# Altium PCB GO_KART_CONTROLLER.PcbDoc
Units mm, origin at the board's own origin, x right, y up, seen from the top; angles counter-clockwise.
Board outline 64 x 57.6 mm, 2 copper layers (Top Layer, Bottom Layer), stack 1.569 mm thick; 94 components, 58 nets, 219 pads, 33 vias.
Unrouted connection lines stored in the file: 1.
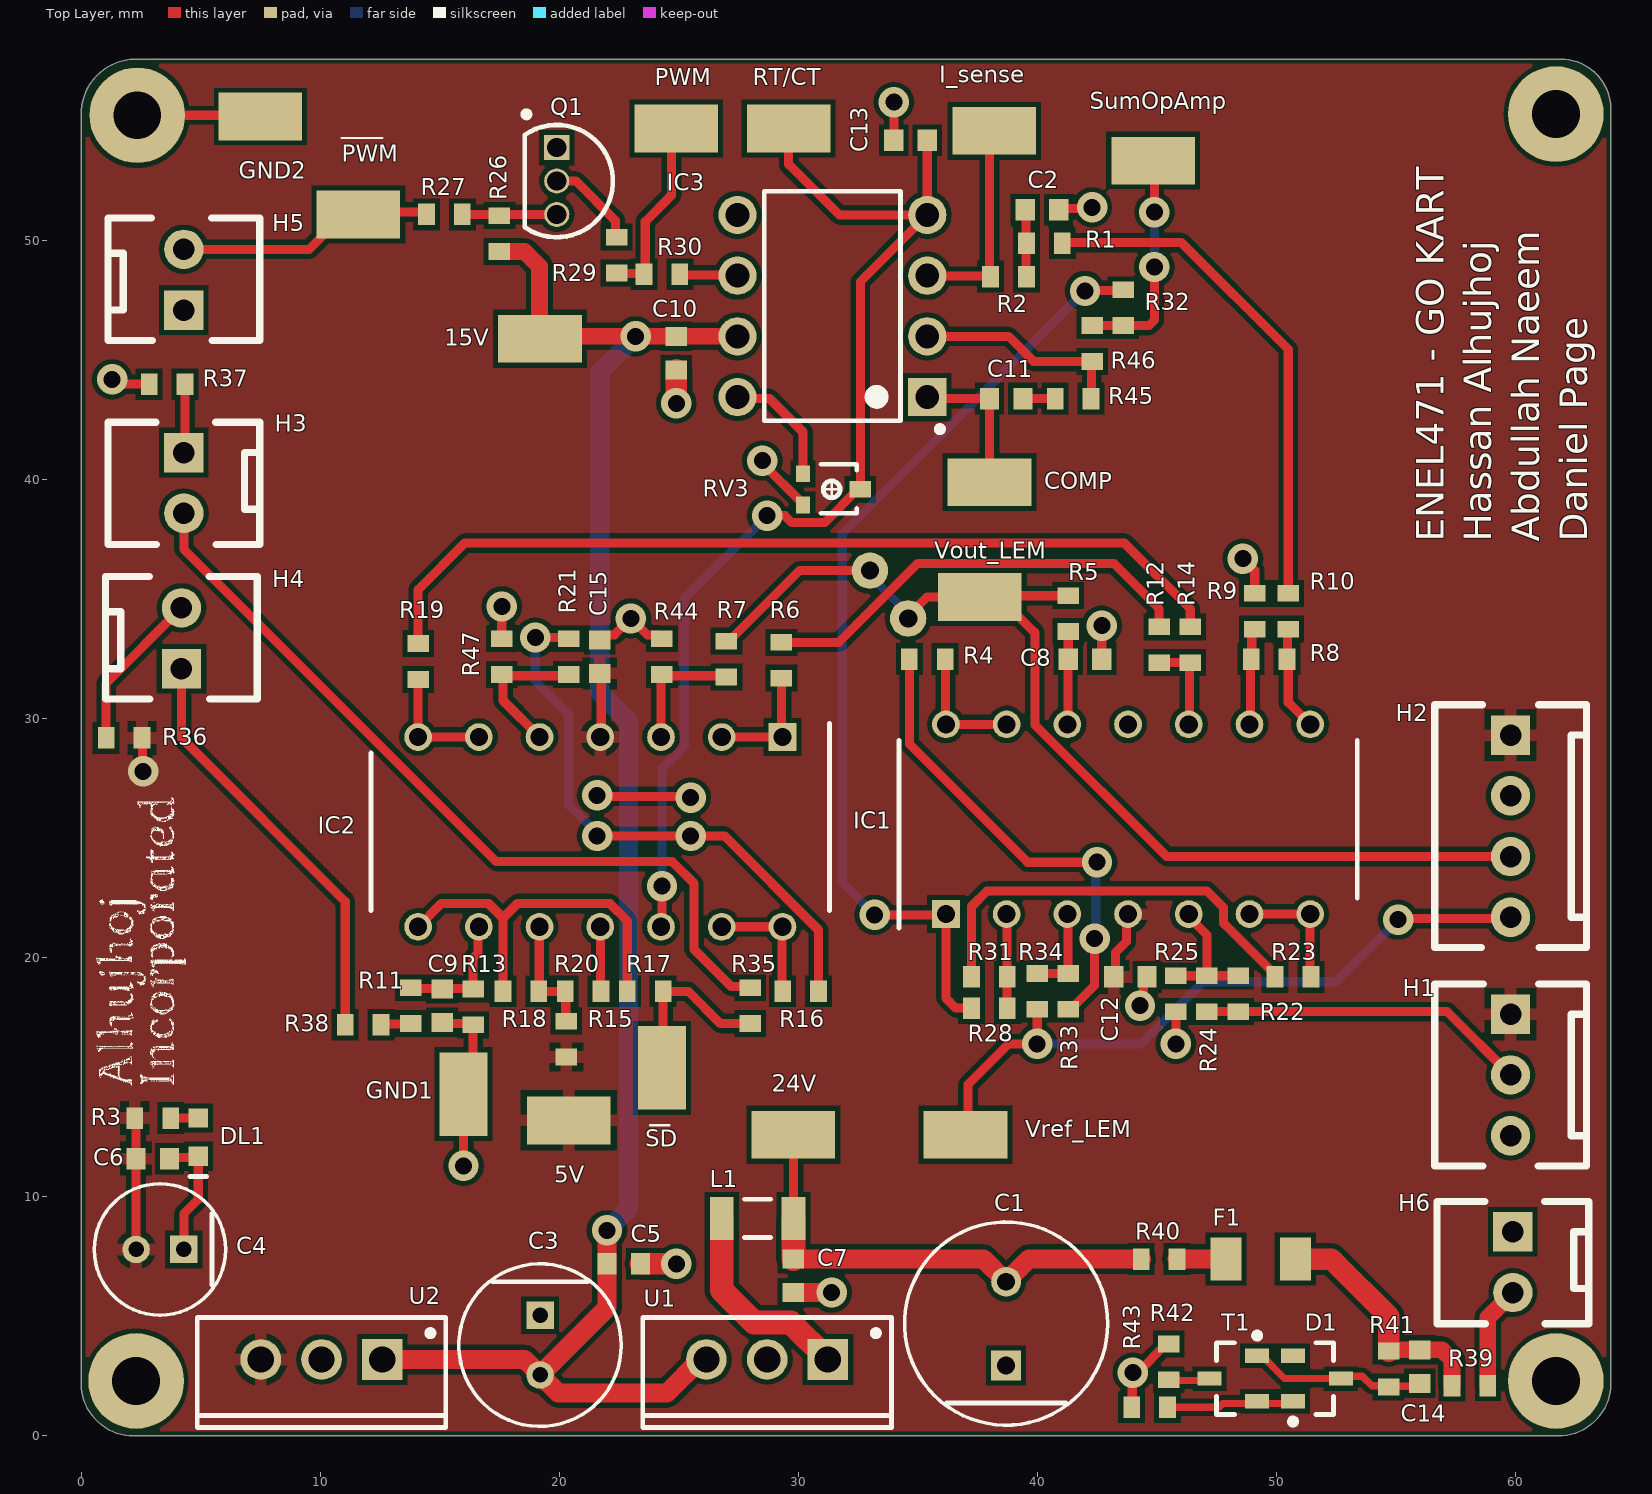
[diagram p0: Top Layer view]
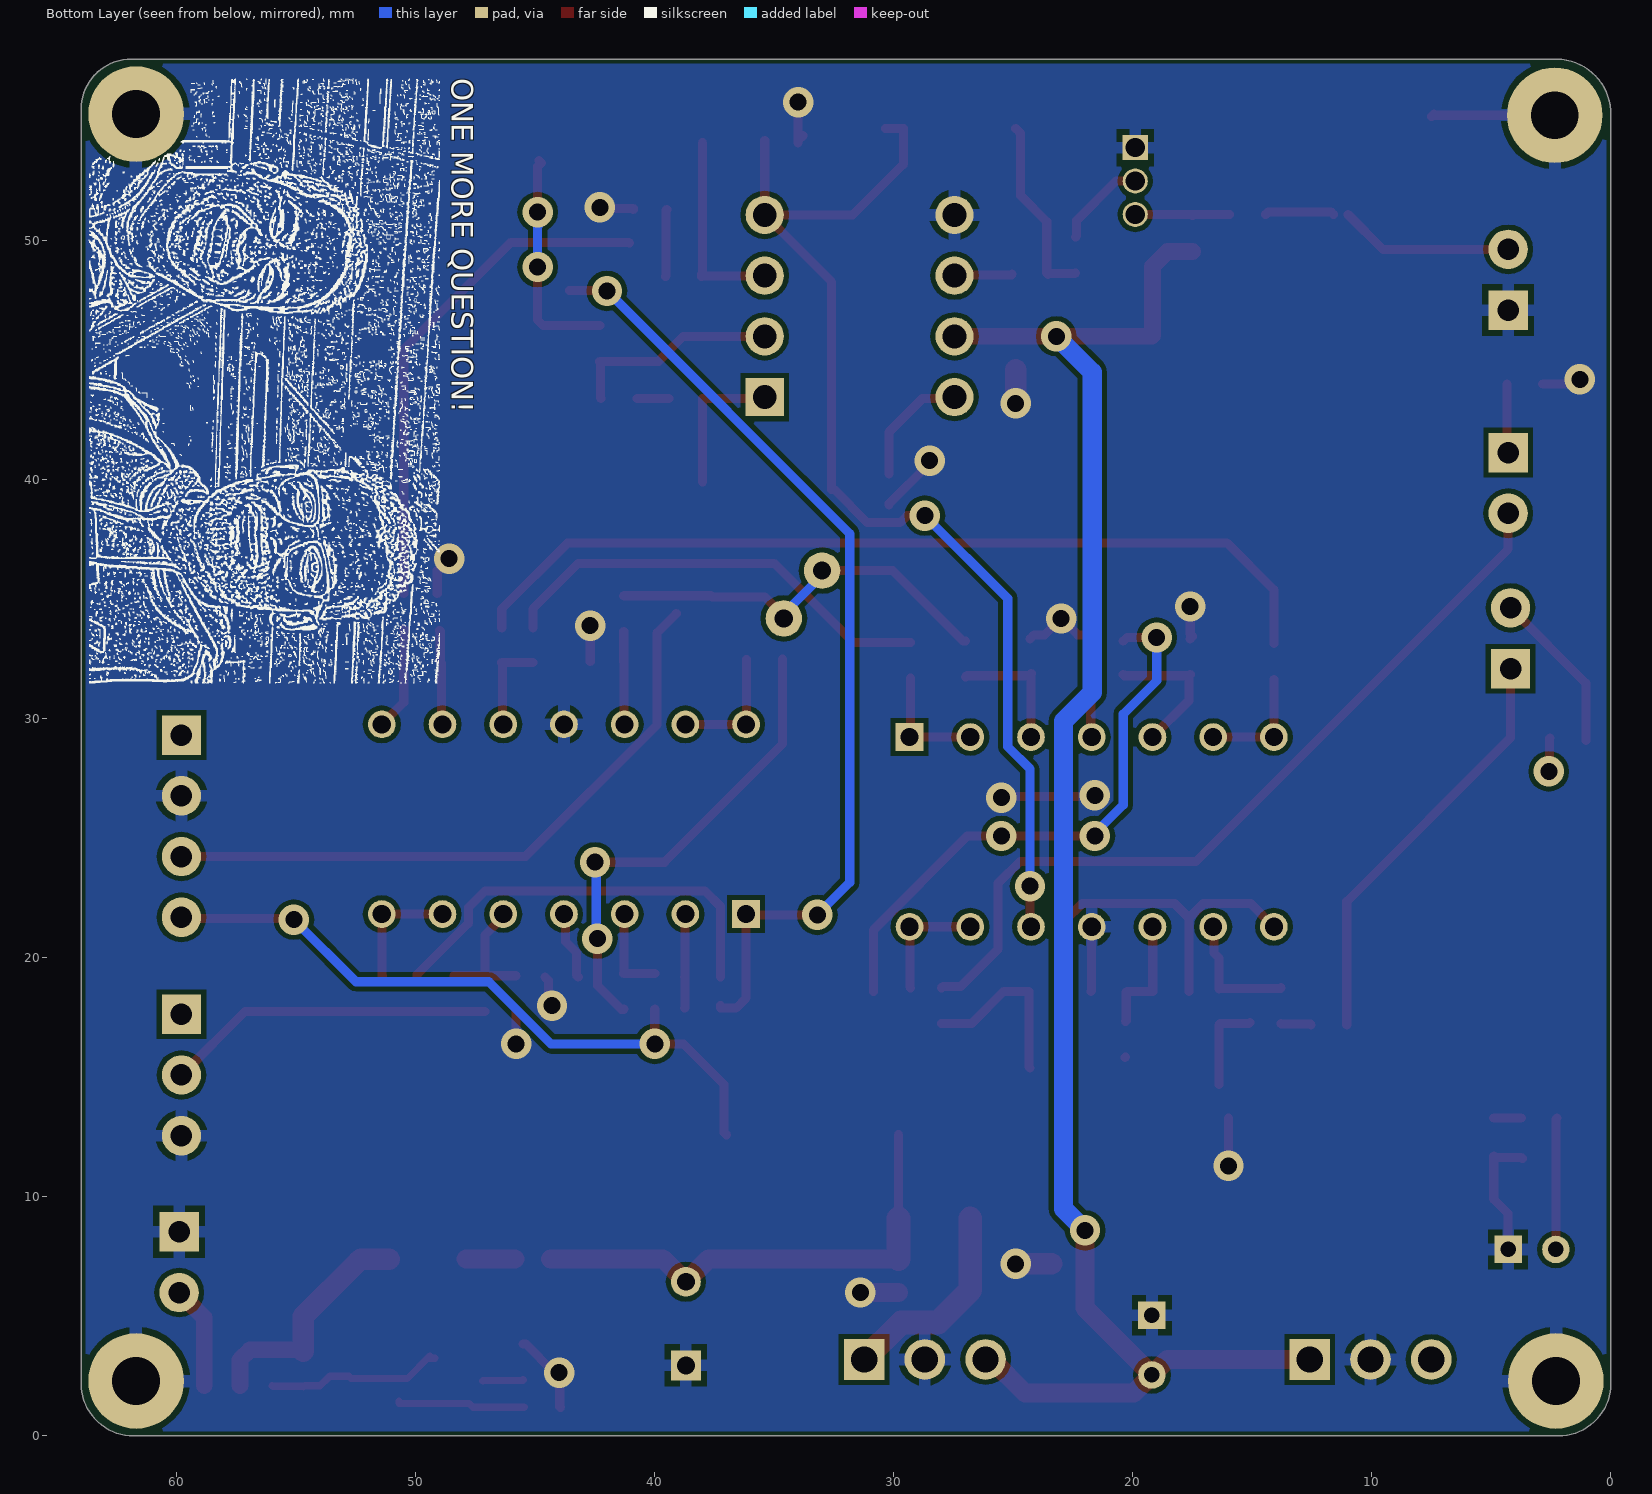
[diagram p1: Bottom Layer view, seen from below]

## Layer stack, top to bottom
Top Solder: solder mask 0.0254, SM-001, Dk 4
Top Layer: signal copper 0.035
Dielectric 1: core 1.4986, Core-043, Dk 4.3
Bottom Layer: signal copper 0.035
Bottom Solder: solder mask 0.0254, SM-001, Dk 4

## Board outline
2.254,57.6 61.9,57.6 cw(c61.9,55.5) 64,55.5 64,2.2 cw(c61.8,2.2) 61.8,0 2.2,0 cw(c2.2,2.2) 0,2.2 0,55.256 cw(c2.299,55.301)

## Design rules (kind name [scope] priority, off if disabled: settings)
BoardOutlineClearance [All] p1: gap=0.2 ignorepadtopadclearanceinfootprint=FALSE except(0.4: Arc-SplitBarrior Arc-SplitContinuation Track-SplitBarrior Track-SplitContinuation SMDPad-SplitBarrior SMDPad-SplitContinuation THPad-SplitBarrior THPad-SplitContinuation Via-SplitBarrior Via-SplitContinuation Fill-SplitBarrior Fill-SplitContinuation Poly-SplitBarrior Poly-SplitContinuation Region-SplitBarrior Region-SplitContinuation Text-SplitBarrior Text-SplitContinuation)
Clearance "Clearance Bottom Layer" [OnLayer('Bottom Layer')] p1: gap=0.203 ignorepadtopadclearanceinfootprint=TRUE except(0.254: Arc-Text Track-Text SMDPad-Text THPad-Text Via-Text Fill-Text Poly-Text Region-Text Text-Text)
Clearance "Clearance Top Layer" [OnLayer('Top Layer')] p2: gap=0.203 ignorepadtopadclearanceinfootprint=TRUE except(0.254: Arc-Text Track-Text SMDPad-Text THPad-Text Via-Text Fill-Text Poly-Text Region-Text Text-Text)
Clearance [All] p3: gap=0.2 ignorepadtopadclearanceinfootprint=FALSE except(0.089: Arc-Arc Arc-Track Arc-SMDPad Track-Track Track-SMDPad SMDPad-SMDPad; 0.127: Arc-Via Track-Via SMDPad-Via THPad-Via Via-Via; 0.254: Arc-Text Track-Text SMDPad-Text THPad-Text Via-Text Fill-Text Poly-Text Region-Text Text-Text)
HoleSize [All] p1: absolutevalues=TRUE maxlimit=6.3 minlimit=0.2 maxpercent=80.000 minpercent=20.000
MinimumAnnularRing [All] p1: minimumring=0.076
MinimumSolderMaskSliver [All] p1: minsoldermaskwidth=0.1
PolygonConnect PolygonConnect_1 [All] p1: thpad.connectstyle=Relief thpad.reliefconductorwidth=0.508 thpad.reliefentries=4 thpad.polygonreliefangle="90 Angle" thpad.airgapwidth=0.254 smdpad.connectstyle=Relief smdpad.reliefconductorwidth=0.508 smdpad.reliefentries=4 smdpad.polygonreliefangle="90 Angle" smdpad.airgapwidth=0.254 via.connectstyle=Direct via.reliefconductorwidth=0.508 via.reliefentries=4 via.polygonreliefangle="90 Angle" via.airgapwidth=0.254
RoutingCorners [All] p1: cornerstyle=Round minsetback=2.54 maxsetback=2.54
RoutingVias [All] p1: holewidth=0.5 width=1 viastyle="Through Hole" minholewidth=0.2 minwidth=0.45 maxholewidth=1 maxwidth=2
SilkToSilkClearance [All] p1: silktosilkclearance=0.1
SilkToSolderMaskClearance [IsPad] p1: minsilkscreentomaskgap=0.1 clearancetoexposedcopper=TRUE
SolderMaskExpansion [All] p1: expansion=0.102 istentingtop=FALSE
Width [All] p1: maxlimit=2.54 minlimit=0.089 preferedwidth=0.381
25 further rules are at their usual default settings.

## Classes and differential pairs
component class main: C1 C2 C3 C4 C5 C6 C7 C8 C9 C10 C11 C12 C13 C15 DL1 IC1 IC2 IC3 L1 Q3 R1 R2 R3 R4 R5 R6 R7 R8 R9 R10 R11 R12 R13 R14 R15 R16 R17 R18 R19 R20 R21 R22 R23 R24 R25 R26 R27 R28 R29 R30 R31 R32 R33 R34 R44 R45 R46 R47 RV3 U1 U2
component class Connectors&TestPoints: 5V 15V 24V C14 COMP D1 F1 GND1 GND2 H1 H2 H3 H4 H5 H6 I_sense PWM R35 R36 R37 R38 R39 R40 R41 R42 R43 RT/CT SD SumOpAmp T1 Vout_LEM Vref_LEM

## Components (designator, comment, footprint, x,y, rotation, side; value= is the part's Value field where it differs from the comment)
5V "TP" TP_1206 20.4,13.2 r180 top
15V "TP" TP_1206 19.2,45.9 r180 top
24V "TP" TP_1206 29.8,12.6 r180 top
C1 "100uF" FP-ESLGM-MFG 38.7,4.7 r90 top
C2 "1nF" CAPC1608L 40.2,51.3 r180 top
C3 "47uF" FP-ESLE3-MFG 19.2,3.8 r270 top value=10uF
C4 "1uF" FP-UPW1E220MDD-MFG 3.3,7.8 r180 top value=22uF
C5 "100nF" CAPC1608L 22.7,7.2 r0 top
C6 "100nF" CAPC1608L 3,11.6 r0 top
C7 "100nF" CAPC1608L 29.8,6.7 r270 top
C8 "1uF" CAPC1608L 42,32.5 r180 top
C9 "100nF" CAPC1608L 15.1,18 r270 top
C10 "100nF" CAPC1608L 24.9,45.3 r270 top
C11 "10uF" CAPC1608L 38.7,43.4 r0 top
C12 "100nF" CAPC1608L 43.9,19.2 r0 top
C13 "22nF" CAPC1608L 34.7,54.2 r180 top
C14 "15nF" CAPC1608L 56,2.9 r90 top
C15 "100nF" CAPC1608L 21.7,32.6 r90 top
COMP "TP" TP_1206 38,39.9 r180 top
D1 "4V7" SOT23_L 51.7,2.4 r0 top
DL1 "Bright Green" WL-SMCW0603 4.9,11.7 r90 top
F1 "5A" RESC3216N 49.35,7.4 r180 top
GND1 "TP" TP_1206 16,14.3 r270 top
GND2 "TP" TP_1206 7.5,55.2 r0 top
H1 "3 Pin Molex KK Hdr" MOLEX_KK_3_HDR 59.8,17.64 r270 top
H2 "4 Pin Molex KK Hdr" MOLEX_KK_4_HDR 59.8,29.32 r270 top
H3 "2 Pin Molex KK HDR" MOLEX_KK_2_HDR 4.3,41.14 r270 top
H4 "2 Pin Molex KK HDR" MOLEX_KK_2_HDR 4.2,32.1 r90 top
H5 "2 Pin Molex KK HDR" MOLEX_KK_2_HDR 4.3,47.1 r90 top
H6 "2 Pin Molex KK HDR" MOLEX_KK_2_HDR 59.9,8.54 r270 top
I_sense "TP" TP_1206 38.2,54.6 r0 top
IC1 "LMC6484IN" DIP794W56P254L1905H533Q14N 43.8,25.8 r90 top
IC2 "LMC6484IN" DIP794W56P254L1905H533Q14N 21.72,25.269 r270 top
IC3 "UC3843BNG" DIP794W56P254L959H533Q8B 31.43,47.27 r180 top
L1 "1A max, Idc 0.3R," INDC3216L 28.3,9.1 r180 top
PWM "TP" TP_1206 11.6,51.1 r180 top
PWM "TP" TP_1206 24.9,54.7 r0 top
Q1 "Comment" ONSC-TO-92-3-29-11 19.9,52.497 r270 top
R1 "150R" RESC1608L 40.3,49.9 r180 top
R2 "0R" RESC1608L 38.8,48.5 r180 top
R3 "1K8" RESC1608L 3,13.3 r0 top
R4 "0R" RESC1608L 35.4,32.5 r180 top
R5 "2K2" RESC1608L 41.3,34.4 r90 top
R6 "0R" RESC1608L 29.3,32.45 r90 top
R7 "10K" RESC1608L 27,32.5 r270 top
R8 "10K" RESC1608L 49.7,32.5 r0 top
R9 "10K" RESC1608L 49.1,34.5 r270 top
R10 "0R" RESC1608L 50.5,34.5 r90 top
R11 "100R" RESC1608L 13.8,18 r90 top
R12 "10K" RESC1608L 45.1,33.1 r270 top
R13 "100K" RESC1608L 16.4,17.95 r270 top
R14 "10K" RESC1608L 46.4,33.1 r270 top
R15 "10K" RESC1608L 20.3,16.6 r270 top
R16 "0R" RESC1608L 30.1,18.6 r0 top
R17 "0R" RESC1608L 23.6,18.6 r0 top
R18 "10K" RESC1608L 18.4,18.6 r180 top
R19 "0R" RESC1608L 14.1,32.4 r90 top
R20 "10K" RESC1608L 21,18.6 r180 top
R21 "6K8" RESC1608L 20.4,32.6 r270 top
R22 "120K" RESC1608L 48.4,18.5 r270 top
R23 "0R" RESC1608L 50.7,19.2 r180 top
R24 "120K" RESC1608L 47.1,18.5 r90 top
R25 "100K" RESC1608L 45.8,18.5 r90 top
R26 "10K" RESC1608L 17.5,50.3 r270 top
R27 "0R" RESC1608L 15.2,51.1 r180 top
R28 "10K" RESC1608L 38,17.9 r180 top
R29 "10R" RESC1608L 22.4,49.4 r90 top
R30 "0R" RESC1608L 24.3,48.6 r180 top
R31 "10K" RESC1608L 38,19.2 r0 top
R32 "0R" RESC1608L 43.6,47.2 r270 top
R33 "10K" RESC1608L 41.3,18.6 r90 top
R34 "10K" RESC1608L 40,18.6 r90 top
R35 "0R" RESC1608L 28,18 r90 top
R36 "0R" RESC1608L 1.8,29.2 r180 top
R37 "0R" RESC1608L 3.6,44 r0 top
R38 "0R" RESC1608L 11.8,17.2 r180 top
R39 "0R" RESC1608L 58.1,2.1 r180 top
R40 "0R" RESC1608L 45.1,7.4 r180 top
R41 "12K" RESC1608L 54.7,2.8 r90 top
R42 "0R" RESC1608L 45.5,3.1 r270 top
R43 "0R" RESC1608L 44.7,1.2 r180 top
R44 "3K" RESC1608L 24.3,32.6 r270 top
R45 "10K" RESC1608L 41.5,43.4 r180 top
R46 "1K" RESC1608L 42.3,45.7 r270 top
R47 "470R" RESC1608L 17.6,32.6 r270 top
RT/CT "TP" TP_1206 29.6,54.7 r180 top
RV3 "100K" PVZ2A 31.4,39.6 r270 top
SD "TP" TP_1206 24.3,15.4 r90 top
SumOpAmp "TP" TP_1206 44.85,53.35 r180 top
T1 "BSH114,215" SOT23_L 48.2,2.4 r180 top
U1 "L7815CV" TO220 28.7,3.2 r180 top
U2 "L7805ACV" TO220 10.06,3.2 r180 top
Vout_LEM "TP" TP_1206 37.6,35.1 r180 top
Vref_LEM "TP" TP_1206 37,12.6 r180 top

## Footprints (in the part's own frame and the unit in brackets; to place one, negate y for a bottom-side part, rotate by r counter-clockwise, add the part's x,y. Pads: shape width x height; smd on the part's side, far side on the other; paste and mask are expansions set on the pad)
CAPC1608L [mm] "Chip Capacitor, Body 1.6x0.8mm, IPC High Density"
  rect 0.8x0.9 smd: 1(-0.7,0) 2(0.7,0)
  body extent -0.87,-0.48 0.87,0.48, height 0.85
DIP794W56P254L959H533Q8B [mm]
  rect 1.6x1.6 hole 1: 1(-3.97,3.81)
  round 1.6 hole 1: 2(-3.97,1.27) 3(-3.97,-1.27) 4(-3.97,-3.81) 5(3.97,-3.81) 6(3.97,-1.27) 7(3.97,1.27) 8(3.97,3.81)
  silkscreen extent -4.63,-4.8 2.85,5.27, body extent -4.11,-4.79 4.11,4.79, height 5.33
DIP794W56P254L1905H533Q14N [mm]
  rect 1.159x1.159 hole 0.759: 1(-3.969,7.62)
  round 1.159 hole 0.759: 2(-3.969,5.08) 3(-3.969,2.54) 4(-3.969,0) 5(-3.969,-2.54) 6(-3.969,-5.08) 7(-3.969,-7.62) 8(3.969,-7.62) 9(3.969,-5.08) 10(3.969,-2.54) 11(3.969,0) 12(3.969,2.54) 13(3.969,5.08) 14(3.969,7.62)
  silkscreen extent -4.55,-9.59 3.3,9.59, body extent -4.11,-9.53 4.11,9.53, height 5.33
FP-ESLE3-MFG [mm]
  rect 1.15x1.15 hole 0.65 paste-1000 mask+0: 1(-1.25,0)
  round 1.15 hole 0.65 paste-1000 mask+0: 2(1.25,0)
  silkscreen extent -3.4,-3.4 3.4,3.4, body extent -3.5,-3.5 3.5,3.5, height 0.25
FP-ESLGM-MFG [mm]
  rect 1.25x1.25 hole 0.75 paste-1000 mask+0: 1(-1.75,0)
  round 1.25 hole 0.75 paste-1000 mask+0: 2(1.75,0)
  silkscreen extent -4.25,-4.25 4.25,4.25, body extent -4.35,-4.35 4.35,4.35, height 0.25
FP-UPW1E220MDD-MFG [mm]
  rect 1.15x1.15 hole 0.65 paste-1000 mask+0: 1(-1,0)
  round 1.15 hole 0.65 paste-1000 mask+0: 2(1,0)
  silkscreen extent -2.75,-2.75 2.75,2.75, body extent -2.85,-2.85 2.85,2.85, height 0.25
INDC3216L [mm] "Chip Inductor, Body 3.2x1.6mm, IPC High Density"
  rect 1x1.8 smd: 1(-1.5,0) 2(1.5,0)
  silkscreen extent -0.55,-0.8 0.55,0.8, body extent -1.75,-0.95 1.75,0.95, height 1.9
MOLEX_KK_2_HDR [mil] "MOLEX_KK_2_HDR"
  rect 65x65 hole 35.43: 1(0,0)
  round 65 hole 35.43: 2(100,0)
  silkscreen extent -50,-125 152,125, body extent -44,-121 146,119, height 630
MOLEX_KK_3_HDR [mil] "MOLEX_KK_3_HDR"
  rect 65x65 hole 35.43: 1(0,0)
  round 65 hole 35.43: 2(100,0) 3(200,0)
  silkscreen extent -50,-125 250,125, body extent -44,-120 244,119, height 10
MOLEX_KK_4_HDR [mil] "MOLEX_KK_4_HDR"
  rect 65x65 hole 35.43: 1(0,0)
  round 65 hole 35.43: 2(100,0) 3(200,0) 4(300,0)
  silkscreen extent -50,-125 350,125, body extent -44,-119 343,119, height 630
ONSC-TO-92-3-29-11 [mm] "TO, 3-Leads, Body Dia 4.7mm, Pitch 1.27mm"
  rect 1.05x1.05 hole 0.8: 1(-1.397,0)
  round 1.05 hole 0.8: 2(0,0) 3(1.397,0)
  silkscreen extent -2.92,-1.39 2.35,2.35, body extent -2.35,-1.33 2.36,2.36, height 7.87
PVZ2A [mm] "MuRata Trimmer Pots"
  rect 0.7x0.6 smd: 1(-0.65,-1.2) 3(0.65,-1.2)
  rect 0.7x0.9 smd: 2(0,1.2)
  silkscreen extent -1.05,-0.45 1,1.05, body extent -0.95,-0.82 0.92,0.96, height 1.6
RESC1608L [mm] "Chip Resistor, Body 1.6x0.8mm, IPC High Density"
  rect 0.7x0.9 smd: 1(-0.75,0) 2(0.75,0)
  body extent -0.85,-0.48 0.85,0.48, height 0.9
RESC3216N [mm] "Chip Resistor, Body 3.2x1.6mm, IPC Medium Density"
  rect 1.3x1.8 smd: 1(-1.45,0) 2(1.45,0)
  body extent -1.68,-0.87 1.68,0.87, height 0.71
SOT23_L [mm] "SOT23, 3-Leads, Body 2.9x1.3mm, Pitch 0.95mm, Lead Span 2.3mm, IPC High Density"
  rect 1x0.6 smd: 1(-1,-0.95) 2(-1,0.95) 3(1,0)
  silkscreen extent -1.12,-1.92 0.7,1.5, body extent -0.7,-1.5 0.7,1.5, height 1.1
TO220 [mm] "TO, Thru-Hole, Vertical, Heatsink Mounted; 3 In-Line Leads; Pitch 2.54 mm"
  rect 1.7x1.7 hole 1.1: 1(-2.54,0)
  round 1.7 hole 1.1: 2(0,0) 3(2.54,0)
  silkscreen extent -5.2,-1.75 5.2,2.85, body extent -5.25,-1.8 5.25,2.9, height 19.7
TP_1206 [mm] "Test Point Pad"
  rect 3.5x2 smd: 1(0,0)
  body extent -1.62,-0.85 1.63,0.8, height 2
WL-SMCW0603 [mm] "2.4 x 0.8 x 0.7mm LED"
  rect 0.8x0.8 smd: 1(0,0) 2(1.6,0)
  silkscreen extent -0.85,-0.35 -0.85,0.35

## Part data
5V 15V 24V COMP GND1 GND2 I_sense PWM PWM RT/CT SD SumOpAmp Vout_LEM Vref_LEM: library part TP_1206, "Test-Point 3.3x1.6x2.1mm SMD", Manufacturer="Harwin Inc", Manufacturer Part Number=S1751-46R, Supplier Part Number 1=952-1478-2-ND, Mounting Type="Surface Mount", Storage Location=ProtoPlace, Supplier="ECE Dept", Supplier 1=Digi-Key, Supplier 2=Farnell, Supplier Part Number 2=1826282, Type="PC Test Point"
C1: library part CMP-03015-000005-1, "CAP ALUM 100UF 20% 50V THRU HOLE. Part Number: ESL107M050AGMAA. Dia: 8mm.", Leakage Current=50uA, Manufacturer=KEMET, Manufacturer Part Number=ESL107M050AGMAA, Package=ESLGM, Ripple Current=725mA, Temperature="-40°C to +105°C", Temperature Range High=+105°C, Temperature Range Low=-40°C, Tolerance=20%, Voltage Rating=50V, Automotive=No, Capacitance=100uF, Category=Cap, ComponentLink2Description=Datasheet, ComponentLink2URL=https://content.kemet.com/datasheets/KEM_A4074_ESL.pdf, Device Class L1="Passive Components", Device Class L2=Capacitors, Device Class L3="Aluminum Electrolytic Capacitors", Digikey Description="CAP ALUM 100UF 20% 50V THRU HOLE", Dissipation Factor=10%, Esr=0.12Ω, Height=13.5mm, Lead Free=Yes, Life=10000Hours, Material=Aluminum, Octopart=https://octopart.com/esl107m050agmaa-kemet-84758890, RoHS=TRUE
C2: library part CC_1nF_0603, "CAP CER 1nF X7R +-10% 50V 0603", Code_IPC="1608 [0603]", PackageReference=0603, Storage Location="PCB Assembly WS", Supplier="ECE Dept"
C3: library part CMP-03015-000004-1, "CAP ALUM 10UF 20% 100V THRU HOLE. Part Number: ESL106M100AE3AA. Dia: 6.3mm.", Capacitance=10uF, Leakage Current=10uA, Manufacturer=kemet, Manufacturer Part Number=ESL106M100AE3AA, Package=ESLE3, Ripple Current=280mA, Temperature="-40°C to +105°C", Temperature Range High=+105°C, Temperature Range Low=-40°C, Tolerance=20%, Voltage Rating=100V, Automotive=No, Category=Cap, ComponentLink2Description=Datasheet, ComponentLink2URL=https://content.kemet.com/datasheets/KEM_A4074_ESL.pdf, Device Class L1="Passive Components", Device Class L2=Capacitors, Device Class L3="Aluminum Electrolytic Capacitors", Digikey Description="CAP ALUM 10UF 20% 100V THRU HOLE", Dissipation Factor=9%, Esr=0.68Ω, Height=12.5mm, Lead Free=Yes, Life=10000Hours, Material=Aluminum, Mouser Description="Cap, 10UF, 100V, Alu Elec, Radial", Octopart=https://octopart.com/esl106m100ae3aa-kemet-84758885, RoHS=TRUE
C4: library part CMP-12462-000010-1, "CAP ALUM 22UF 20% 25V RADIAL. Part Number: UPW1E220MDD. Dia: 5mm.", Capacitance=22uF, Leakage Current=16.5uA, Manufacturer=Nichicon, Manufacturer Part Number=UPW1E220MDD, Package=0, Ripple Current=180mA, Temperature="-55°C to +105°C", Temperature Range High=+105°C, Temperature Range Low=-55°C, Tolerance=20%, Voltage Rating=25V, Automotive=Yes, Automotive Grade="Grade 2", Category=Cap, ComponentLink2Description=Datasheet, ComponentLink2URL=https://products.nichicon.co.jp/en/pdf/XJA043/e-upw.pdf, Device Class L1="Passive Components", Device Class L2=Capacitors, Device Class L3="Aluminum Electrolytic Capacitors", Digikey Description="CAP ALUM 22UF 20% 25V RADIAL", Dissipation Factor=14%, Height=12.5mm, Lead Free=Yes, Life=2000Hours, Material=Aluminum, Octopart=https://octopart.com/upw1e220mdd-nichicon-202818, RoHS=TRUE
C5 C6 C7 C9 C10 C12 C15: library part CC_100nF_0603, "CAP CER 100nF X7R +-10% 50V 0603", Code_IPC="1608 [0603]", PackageReference=0603, Storage Location="PCB Assembly WS", Supplier="ECE Dept"
C8: library part CC_1uF_0603, "CAP CER 1uF Y5V -20% +80% 16V 0603", Max Voltage=16V, Code_IPC="1608 [0603]", PackageReference=0603, Storage Location="PCB Assembly WS", Supplier="ECE Dept"
C11: library part CC_10uF_0603, "CAP CER 10UF X5R +-20% 6V3 0603", Voltage - Rated=6.3V, Storage Location="PCB Assembly WS", Supplier="ECE Dept"
C13: library part CC_22nF_0603, "CAP CER 22nF X7R +-10% 50V 0603", Code_IPC="1608 [0603]", PackageReference=0603, Storage Location="PCB Assembly WS", Supplier="ECE Dept"
C14: library part CC_15nF_0603, "CAP CER 15nF X7R +-10% 50V 0603", Code_IPC="1608 [0603]", PackageReference=0603, Storage Location="PCB Assembly WS", Supplier="ECE Dept"
D1: library part DZ_4.7V, "BZX84C4V7LT1G - DIODE, ZENER, 4.7V, 225MW, SOT23", Breakdown Voltage Max=5, Breakover Voltage Min=4.7, Diode Case Style=SOT-23, Manufacturer="ON SEMICONDUCTOR", Manufacturer Part Number=BZX84C4V7LT1G, Power Dissipation Pd=225, Supplier Part Number 1=1459051, Supplier 1=Farnell, Supplier 2=Digi-Key, Supplier Part Number 2=BZX84C4V7LT1GOSCT-ND
DL1: library part DL_150060VS75000, "LED Bright Green 40mcd 0603 SMD", Forward Current If=30, Forward Voltage=2, Manufacturer="WURTH ELEKTRONIK", Manufacturer Part Number=150060VS75000, Supplier Part Number 1=2322073, LED Colour="Bright Green", LED Mounting=SMD, Luminous Intensity=40, Storage Location="PCB Assembly WS", Supplier="ECE Dept", Supplier 1=Farnell, Viewing Angle=140°, Wavelength Typ=570
F1: library part FS_Fuse_5.0A, "Fuse 5.0A Fast Acting 1206 SMD", Case Code (Imperial)=1206, Case Code (Metric)=3216, DC Cold Resistance=19mR, Manufacturer="Bel TRP", Manufacturer Part Number=C1F5, Max Operating Temperature=125°C, Min Operating Temperature=-55°C, Supplier Part Number 1=507-1886-1-ND, Voltage Rating=125V, Voltage Rating (DC)=63V, Approvals=CE,cURus, Case/Package=1206, ComponentLink1Description=http://www.farnell.com/datasheets/2571625.pdf, ComponentLink1URL=http://www.farnell.com/datasheets/2571625.pdf, ComponentLink2Description=http://belfuse.com/pdfs/C1F.pdf, ComponentLink2URL=http://belfuse.com/pdfs/C1F.pdf, ComponentLink3Description=http://www.mouser.com/ds/2/643/C1F-594910.pdf, ComponentLink3URL=http://www.mouser.com/ds/2/643/C1F-594910.pdf, ComponentLink4Description=https://belfuse.com/resources/StewartConnector/C1F.pdf, ComponentLink4URL=https://belfuse.com/resources/StewartConnector/C1F.pdf, Contact Plating=Nickel,Tin, Current Rating=5A, Fuse Type="Board Mount (Cartridge Style Excluded)", Length=0.126inch, Mount="Surface Mount", Number of Pins=2, Packaging="Tape and Reel", Pricing 1="1=0.32, 5=0.312, 10=0.298, 50=0.2662, 100=0.2479, 250=0.22032, 500=0.1836, 1000=0.17442 (USD)", Stock 1=725, Supplier 1=Digi-Key, Supplier 2=Element14, Supplier Part Number 2=2848595, Voltage Rating (AC)=125V, Width=0.062inch
H1: library part JA_MOLEX_KK_3POS, "CONN HEADER 3POS 2.54mm VERT_Thru Hole", Manufacturer=Molex, Manufacturer PN=22-23-2031, Supplier Part Number 1=9731156, Storage Location="ECE Dept Store", Supplier="ECE Dept", Supplier 1=Farnell
H2: library part JA_MOLEX_KK_4POS, "CONN HEADER 4POS 2.54mm VERT_Thru Hole", Manufacturer=Molex, Manufacturer PN=22-23-2041, Supplier Part Number 1=9731164, Storage Location="ECE Dept Store", Supplier="ECE Dept", Supplier 1=Farnell
H3 H4 H5 H6: library part JA_MOLEX_KK_2POS, "CONN HEADER 2POS 2.54mm VERT_Thru Hole", Supplier Part Number 1=1462926, Storage Location="ECE Dept Store", Supplier="ECE Dept", Supplier 1=Farnell
IC1 IC2: "Integrated Circuit", Manufacturer_Name="Texas Instruments", Mouser Part Number=926-LMC6484IN, Arrow Part Number=LMC6484IN, Datasheet Link=http://www.ti.com/lit/gpn/lmc6484, Height=5.334mm, Manufacturer_Part_Number=LMC6484IN, Mouser Price/Stock=https://www.mouser.com/Search/Refine.aspx?Keyword=926-LMC6484IN
IC3: "Integrated Circuit", Manufacturer_Name="ON Semiconductor", Mouser Part Number=863-UC3843BNG, Arrow Part Number=UC3843BNG, Arrow Price/Stock=https://www.arrow.com/en/products/uc3843bng/on-semiconductor, Datasheet Link=http://www.onsemi.com/pub/Collateral/UC3842B-D.PDF, Height=5.33mm, Manufacturer_Part_Number=UC3843BNG, Mouser Price/Stock=https://www.mouser.co.uk/ProductDetail/ON-Semiconductor/UC3843BNG?qs=xZq1yRCsb1c8CkSt0UbHMA%3D%3D
L1: library part IN_Ferrite-Bead, "Ferrite Bead, Rdc 0.3R, Z100MHZ 600R, Imax 1A, SMD 1206", DC Current Rating=1, DC Resistance Max=0.08, Ferrite Case Style="1206 ^3216 Metric]", Frequency Range="50MHz to 1", Impedance Tolerance="± 25%", Manufacturer=FAIR-RITE, Manufacturer Part Number=2512066017Y1, Supplier Part Number 1=1612060, Ferrite Mounting=SMD, Impedance=600, Manufacturer PN=2512066017Y1, Storage Location="PCB Assembly WS", Supplier="ECE Dept", Supplier 1=Farnell
R1: library part RS_150R, "RES 150 OHM 1/10W 5% 0603 SMD", Storage Location="PCB Assembly WS", Supplier="ECE Dept"
R2 R4 R6 R10 R16 R17 R19 R23 R27 R30 R32 R35 R36 R37 R38 R39 R40 R42 R43: library part RS_0R0, "RES 0.0 OHM 1/10W 5% 0603 SMD", Storage Location="PCB Assembly WS", Supplier="ECE Dept"
R3: library part RS_1K8, "RES 1.8K OHM 1/10W 5% 0603 SMD", Storage Location="PCB Assembly WS", Supplier="ECE Dept"
R5: library part RS_2K2, "RES 2.2K OHM 1/10W 5% 0603 SMD", Storage Location="PCB Assembly WS", Supplier="ECE Dept"
R7 R8 R9 R12 R14 R15 R18 R20 R26 R28 R31 R33 R34 R45: library part RS_10K, "RES 10.0K OHM 1/10W 5% 0603 SMD", Storage Location="PCB Assembly WS", Supplier="ECE Dept"
R11: library part RS_100R, "RES 100 OHM 1/10W 5% 0603 SMD", Storage Location="PCB Assembly WS", Supplier="ECE Dept"
R13 R25: library part RS_100K, "RES 100K OHM 1/10W 5% 0603 SMD", Storage Location="PCB Assembly WS", Supplier="ECE Dept"
R21: library part RS_6K8, "RES 6k8 OHM 1/10W 5% 0603 SMD", Storage Location="PCB Assembly WS", Supplier="ECE Dept"
R22 R24: library part RS_120K, "RES 120K OHM 1/10W 5% 0603 SMD", Storage Location="PCB Assembly WS", Supplier="ECE Dept"
R29: library part RS_10R, "RES 10 OHM 1/10W 5% 0603 SMD", Storage Location="PCB Assembly WS", Supplier="ECE Dept"
R41: library part RS_12K, "RES 12K OHM 1/10W 5% 0603 SMD", Storage Location="PCB Assembly WS", Supplier="ECE Dept"
R44: library part RS_3K, "RES 3K OHM 1/10W 5% 0603 SMD", Storage Location="PCB Assembly WS", Supplier="ECE Dept"
R46: library part RS_1K, "RES 1.0K OHM 1/10W 5% 0603 SMD", Storage Location="PCB Assembly WS", Supplier="ECE Dept"
R47: library part RS_470R, "RES 470 OHM 1/10W 5% 0603 SMD", Storage Location="PCB Assembly WS", Supplier="ECE Dept"
RV3: library part RM_100K, "Trim Pot SMD 100K Murata PVZ2 Series SMD", Manufacturer=MURATA, Manufacturer Part Number=PVZ2A104C04B00, Power Rating=50, Resistor Element Material="Metal Foil", Supplier Part Number 1=1771728, Adjustment Type=Top, External Depth=2.7, External Length / Height=0.85, External Width=2.1, No. of Turns=1, Potentiometer Mounting=SMD, Series=PVZ2, Storage Location="PCB Assembly WS", Supplier="ECE Dept", Supplier 1=Farnell
T1: library part TM_BSH114, "MOSFET N-CH 100V 0.85A SOT-23", Continuous Drain Current Id=500, Current Id Max=850, Drain Source Voltage Vds=100, Power Dissipation Pd=830, Supplier Part Number 1=1758071RL, Transistor Case Style=SOT-23, Voltage Vds Typ=130, Voltage Vgs Max=3, Voltage Vgs Rds on Measurement=10, Manufacturer Part Number=BSH114,215, Supplier 1=Farnell, Transistor Type=Enhancement
U1: library part CMP-0244-00422-1, "Positive Voltage Regulator, 15V, 3-Pin TO-220", ComponentLink1Description="Manufacturer URL", ComponentLink1URL=http://www.st.com, ComponentLink2Description=Datasheet, ComponentLink2URL=http://www.st.com/internet/com/TECHNICAL_RESOURCES/TECHNICAL_LITERATURE/DATASHEET/CD00000444.pdf, ComponentLink3Description="Package Specification", ComponentLink3URL=http://www.st.com/internet/com/TECHNICAL_RESOURCES/TECHNICAL_LITERATURE/PACKAGE_INFORMATION/CD00004649.pdf, DatasheetVersion=16/11/2011, PackageDescription="TO, Thru-Hole, Vertical, Heatsink Mounted; 3 In-Line Leads; Pitch 2.54 mm", PackageReference=TO220, PackageVersion=ver3.0
U2: library part CMP-0244-00484-1, "Positive Voltage Regulator, 5V, 3-Pin TO-220", ComponentLink1Description="Manufacturer URL", ComponentLink1URL=http://www.st.com, ComponentLink2Description=Datasheet, ComponentLink2URL=http://www.st.com/internet/com/TECHNICAL_RESOURCES/TECHNICAL_LITERATURE/DATASHEET/CD00000444.pdf, ComponentLink3Description="Package Specification", ComponentLink3URL=http://www.st.com/internet/com/TECHNICAL_RESOURCES/TECHNICAL_LITERATURE/PACKAGE_INFORMATION/CD00004649.pdf, DatasheetVersion=16/11/2011, PackageDescription="TO, Thru-Hole, Vertical, Heatsink Mounted; 3 In-Line Leads; Pitch 2.54 mm", PackageReference=TO220, PackageVersion=ver3.0

## Free pads (board coordinates)
  round 1.524 hole 0.762: 4(33,36.2) 5(34.6,34.2)
  round 4 hole 2: 7(2.3,2.3) 7(2.35,55.25) 7(61.7,2.3) 7(61.7,55.3)

## Via types
v1: diameter 1.27, hole 0.711, Top Layer to Bottom Layer, 31 vias
v2: diameter 1.27/1.27 (per signal layer), hole 0.711, Top Layer to Bottom Layer, 2 vias

## Nets (pads, with @x,y where several pads share a name; then routed paths per layer and width w, separated by ;. In a path a pad name is that pad's centre, name@x,y a point inside that pad or via, vN(x,y) a via of type N, cw(c..) or ccw(c..) an arc to the next point about the centre after c; other vN are vias at no path point)
5V: 5V.1 C4.2 C6.1 C12.1 C15.1 H1.1 H2.1 IC1.4 IC2.4 R3.1 R15.2 R36.1 U2.3 | length 12.6
  Top Layer w0.381: R3.1 2.3,13.25 C6.1 C4.2 ; R36.1 2.575,29.175 2.575,27.825 v1(2.6,27.8) ; R15.2 R15.2@20.325,15.825 ; IC2.4 21.76,29.278 21.76,31.76 C15.1@21.8,31.8 ; C12.1 43.272,19.272 43.272,20.222 43.73,20.68 43.73,21.761 IC1.4 IC1.4@43.7,21.731
15V: 15V.1 C3.2 C5.1 C10.1 IC3.7 R26.2 U1.3 U2.1 | length 73.9
  Top Layer w0.7: R26.2 18.55,49.55 19.177,48.923 15V.1@19.177,46.023 ; 15V.1@19.2,46 v1(23.2,46) C10.1 IC3.7
  Top Layer w0.8: U2.1 18.556,3.2 19.2,2.556 C3.2 ; v1(22,8.6) C5.1 22,5.35 C3.2 ; U1.3 25.916,3.2 24.516,1.8 19.95,1.8 C3.2
  Bottom Layer w0.8: v1(22,8.6) 22.903,9.503 22.903,29.728 22.9,29.731 22.9,29.9 21.7,31.1 21.7,44.5 v1(23.2,46)
24V: 24V.1 C1.2 C7.1 L1.1 R40.2 | length 20.6
  Top Layer w0.381: L1.1 24V.1
  Top Layer w0.8: C7.1 37.75,7.4 C1.2 ; C1.2@38.655,6.405 39.65,7.4 R40.2
  Top Layer w1: C7.1 L1.1
24V_pos: H6.2 R39.1 | length 4.3
  Top Layer w0.7: R39.1 58.85,4.95 H6.2
Acc_pot: H1.2 R22.2 R24.1 | length 13.8
  Top Layer w0.381: R24.1 R22.2 57.15,17.75 H1.2
BRAKE_SW: R11.1 R38.1 | length 1.3
  Top Layer w0.381: R38.1 12.575,17.225 13.775,17.225 R11.1
Error_OpAmp_OUT: R32.2 R46.1 SumOpAmp.1 | length 9.5
  Top Layer w0.381: R46.1 R32.2 44.669,46.45 44.9,46.681 v1(44.9,48.9) ; v1@44.672,51.072 44.8,51.2 v1(44.9,51.2) 44.9,53.1 44.75,53.25 SumOpAmp.1
  Bottom Layer w0.381: v1(44.9,48.9) 44.9,50.603 44.874,50.629 44.874,50.948 v1@44.9,50.974
GND: C1.1 C2.1 C3.1 C4.1 C5.2 C6.2 C7.2 C8.1 C9.2 C10.2 C12.2 C13.2 C15.2 DL1.1 GND1.1 GND2.1 H1.3 H2.2 H5.1 H6.1 IC1.11 IC2.11 IC3.5 pad.7 Q1.1 R9.1 R13.2 R20.1 R25.1 R37.1 R42.1 R43.2 R44.1 R47.1 RV3.3 U1.2 U2.2 | length 49.6
  Top Layer w0.381: v1(1.3,44.2) 1.5,44 R37.1 ; pad.7@2.35,55.25 7.35,55.25 7.4,55.3 GND2.1 ; C6.2 3.75,11.65 4.85,11.65 DL1.1 4.9,9.9 4.3,9.3 C4.1 ; U2.2@9.76,3.24 U2.2@10.06,3.24 ; C9.2 15.15,17.25 16.35,17.25 R13.2 GND1.1@16.4,14.7 ; v1(16,11.3) GND1.1@16,13.3 ; R47.1 17.5,33.45 17.6,33.55 v1(17.6,34.7) ; v1(21.59,26.8) 21.7,26.8 21.75,26.75 25.45,26.75 v1(25.5,26.7) ; C15.2 21.909,33.51 22.31,33.51 v1(23,34.2) 23.69,33.51 24.141,33.51 R44.1 ; IC2.11@21.73,21.31 IC2.11 21.735,21.285 21.735,18.615 R20.1 ; IC3.5@27.23,51.21 IC3.5@27.235,51.205 ; v1(28.5,40.8) 28.5,40.7 30.2,39 RV3.3 ; C13.2@33.8,54.4 C13.2 ; C13.2@34,54.1 v1(34,55.8) ; C2.1@40.9,51.35 C2.1 40.95,51.35 42.25,51.35 v1(42.3,51.4) ; C8.1@42.7,32.4 v1(42.7,33.9) ; R43.2 43.975,1.225 43.975,2.625 v1(44,2.65) 44.2,2.65 45.4,3.85 R42.1 ; v2(44.3,18) 44.45,18.15 44.45,19.05 C12.2 ; v2(45.8,16.4) R25.1 ; v1(48.6,36.7) 49.1,36.2 R9.1
  Top Layer w0.8: C7.2 v1(31.4,6)
  Top Layer w0.9: C5.2 v1(24.9,7.2) ; v1(24.9,43.2) C10.2
I_sense: I_sense.1 IC3.3 R2.2 | length 8.3
  Top Layer w0.381: IC3.3 35.42,48.52 38.03,48.52 R2.2 R2.2@38.05,48.6 ; R2.2@38,48.6 I_sense.1@38,54.1
LPF1_OUT: R4.2 R33.1 | length 20.2
  Top Layer w0.381: R4.2 34.65,28.95 39.6,24 v1(42.5,24) ; R33.1 41.4,17.85 42.4,18.85 v1(42.4,20.8)
  Bottom Layer w0.381: v1(42.4,20.8) 42.45,20.85 42.45,23.95 v1(42.5,24)
LPF2_IN: R1.1 R10.2 | length 21.5
  Top Layer w0.381: R1.1 41.079,49.929 46.026,49.929 50.5,45.455 R10.2
NetC2_2: C2.2 R1.2 R2.1 | length 2.8
  Top Layer w0.381: C2.2 39.525,51.275 39.525,49.9 39.525,48.525 R2.1
NetC8_2: C8.2 IC1.12 R5.1 | length 3.9
  Top Layer w0.381: IC1.12 41.28,29.789 41.28,32.38 41.3,32.4 R5.1
NetC9_1: C9.1 IC2.9 R11.2 R13.1 | length 5.3
  Top Layer w0.381: R11.2 13.825,18.725 16.375,18.725 R13.1 16.4,20 16.6,20.2 16.6,21.26 IC2.9
NetC11_2: C11.2 R45.2 | length 1.4
  Top Layer w0.381: C11.2 R45.2
NetC14_1: C14.1 D1.3 R41.1 T1.1 | length 7.4
  Top Layer w0.3: T1.1@49.2,3.25 T1.1@49.4,3.25 ; T1.1@49.4,3.35 50.35,2.4 D1.3 52.8,2.5 53.6,2.5 54,2.1 54.65,2.1 R41.1 54.725,2.075 55.975,2.075 C14.1@56,2.1
NetC14_2: C14.2 F1.1 R39.2 R41.2 | length 9.7
  Top Layer w0.7: R41.2@54.85,3.6 56.94,3.6 57.35,3.19 R39.2
  Top Layer w0.9: F1.1@51.1,7.4 52.3,7.4 ; 52.4,7.3 54.7,5 R41.2
NetD1_1: D1.1 R43.1 T1.2 | length 5.4
  Top Layer w0.3: R43.1 47.6,1.2 47.75,1.35 49.2,1.35 50.7,1.35 D1.1
NetDL1_2: DL1.2 R3.2 | length 1.1
  Top Layer w0.381: R3.2 DL1.2
NetF1_2: F1.2 R40.1 | length 2.1
  Top Layer w0.8: R40.1 F1.2
NetH3_1: H3.1 R37.2 | length 2.9
  Top Layer w0.381: R37.2 4.35,41.19 H3.1@4.4,41.14
NetH3_2: H3.2 R35.2 | length 34.4
  Top Layer w0.381: H3.2 4.3,37.1 17.371,24.029 24.726,24.029 25.639,23.115 25.639,20.361 27.2,18.8 27.95,18.8 R35.2
NetH4_1: H4.1 R38.2 | length 17.7
  Top Layer w0.381: H4.1 4.2,29.2 11.05,22.35 R38.2
NetH4_2: H4.2 R36.2 | length 6.8
  Top Layer w0.381: R36.2@1.05,29.1 1.05,31.49 H4.2
NetIC1_1: IC1.1 R28.2 R32.1 | length 40.3
  Top Layer w0.381: v1(33.2,21.8) 36.149,21.8 IC1.1 36.18,18.32 36.6,17.9 R28.2 R28.2@37.25,18 ; v1(42,47.9) 42.025,47.925 R32.1@43.575,47.925
  Bottom Layer w0.381: v1(33.2,21.8) 31.844,23.156 31.844,37.744 v1(42,47.9)
NetIC1_2: IC1.2 R28.1 R31.2 | length 3.9
  Top Layer w0.381: IC1.2 38.735,21.816 38.735,17.915 R28.1
NetIC1_3: IC1.3 R33.2 R34.2 | length 3.8
  Top Layer w0.381: R34.2 R33.2 41.28,19.37 41.28,21.811 IC1.3
NetIC1_5: IC1.5 R22.1 R24.2 R25.2 | length 5.5
  Top Layer w0.381: R25.2 R24.2 ; IC1.5 46.34,21.723 47.1,20.963 R24.2 ; R22.1 R24.2
NetIC1_6: IC1.6 IC1.7 R23.1 | length 5.1
  Top Layer w0.381: IC1.6 IC1.7 51.41,21.821 51.41,19.26 R23.1@51.4,19.25
NetIC1_8: IC1.8 R8.2 R10.1 | length 4.4
  Top Layer w0.381: R10.1 50.475,33.725 50.475,32.375 50.45,32.35 50.5,32.3 50.5,30.689 IC1.8
NetIC1_9: IC1.9 R8.1 R9.2 | length 4
  Top Layer w0.381: IC1.9 48.915,29.804 48.915,32.315 48.95,32.35 48.975,32.375 48.975,33.675 R9.2@49,33.7
NetIC1_10: IC1.10 R12.2 R14.2 | length 3.8
  Top Layer w0.381: R12.2 R14.2 ; IC1.10 46.37,29.799 R14.2@46.37,32.27
NetIC1_13: IC1.13 IC1.14 R4.1 | length 5.3
  Top Layer w0.381: R4.1@36.165,32.485 36.165,29.784 IC1.14 IC1.13
NetIC2_1: IC2.1 IC2.2 R6.1 | length 5
  Top Layer w0.381: IC2.2 IC2.1 29.3,29.278 R6.1
NetIC2_3: IC2.3 R7.2 R44.2 | length 5.3
  Top Layer w0.381: R44.2@24.25,31.9 R44.2@24.255,31.895 ; R44.2@24.255,31.795 24.255,29.243 IC2.3 ; R44.2@24.3,31.8 26.95,31.8 R7.2
NetIC2_5: IC2.5 R21.2 R47.2 | length 6
  Top Layer w0.381: R47.2 R47.2@17.65,31.8 ; IC2.5 17.65,30.768 R47.2@17.65,31.8 ; R21.2 20.35,31.8 R47.2@17.65,31.8
NetIC2_6: IC2.6 IC2.7 R19.1 | length 5
  Top Layer w0.381: R19.1 IC2.7 IC2.6
NetIC2_8: IC2.8 R17.1 R18.2 | length 16
  Top Layer w0.381: IC2.8 15.073,22.273 17.043,22.273 17.65,21.666 ; R18.2 17.65,21.666 ; R17.1 22.85,21.546 22.123,22.273 18.257,22.273 17.65,21.666
NetIC2_10: IC2.10 R15.1 R18.1 R20.2 | length 5.1
  Top Layer w0.381: IC2.10 19.165,21.285 19.165,18.615 R18.1 R20.2 20.275,18.575 20.275,17.375 R15.1
NetIC2_13: IC2.13 IC2.14 R16.1 | length 5.1
  Top Layer w0.381: IC2.13 IC2.14 29.32,21.28 29.32,18.77 R16.1@29.3,18.75
NetIC3_2: IC3.2 R45.1 R46.2 | length 8.9
  Top Layer w0.381: IC3.2 38.8,46 39.85,44.95 R46.2 ; R45.1 42.275,43.425 R46.2@42.275,44.925
NetIC3_6: IC3.6 R30.1 | length 2.4
  Top Layer w0.381: R30.1 25.08,48.57 27.43,48.57 IC3.6
NetIC3_8: IC3.8 RV3.1 | length 5.2
  Top Layer w0.381: IC3.8 27.4,43.4 28.8,43.4 30.2,42 RV3.1
NetL1_2: L1.2 U1.1 | length 8.6
  Top Layer w1: L1.2 26.8,6.1 28.147,4.753 29.687,4.753 U1.1
NetQ1_2: Q1.2 R29.2 | length 3.9
  Top Layer w0.381: Q1.2 19.907,52.504 20.696,52.504 22.352,50.848 22.352,50.198 R29.2
NetQ1_3: Q1.3 R26.1 R27.1 | length 4
  Top Layer w0.381: R27.1 R26.1@17.5,51.1 ; R26.1 17.55,51.1 Q1.3
NetR16_2: R16.2 R21.1 | length 24.3
  Top Layer w0.381: v1(19,33.4) 20.25,33.4 R21.1@20.4,33.25 ; v1(21.59,25.1) v1(25.5,25.1) 26.916,25.1 30.85,21.166 R16.2
  Bottom Layer w0.381: v1(19,33.4) 19,31.6 20.4,30.2 20.4,26.4 21.59,25.21 v1(21.59,25.1)
NetR42_2: R42.2 T1.3 | length 1.7
  Top Layer w0.3: R42.2 45.525,2.325 47.175,2.325 T1.3@47.2,2.3
P\W\M\: H5.2 PWM.1@11.6,51.1 R27.2 | length 10.2
  Top Layer w0.381: H5.2 9.54,49.64 PWM.1@11,51.1 ; PWM.1@11.6,51.1 11.7,51.2 14.35,51.2 R27.2
PWM: PWM.1@24.9,54.7 R29.1 R30.2 | length 7.8
  Top Layer w0.381: R29.1 22.425,48.625 23.525,48.625 R30.2 23.6,48.65 23.6,50.8 24.7,51.9 24.7,54.5 PWM.1@24.9,54.7
RT/CT: C13.1 IC2.12 IC3.4 RT/CT.1 RV3.2 | length 48.3
  Top Layer w0.381: IC2.12 24.3,21.34 v1(24.3,23) ; v1(28.7,38.5) 29.443,38.5 29.737,38.206 31.106,38.206 32.5,39.6 RV3.2 32.6,48.28 IC3.4 ; RT/CT.1@30.35,54.7 RT/CT.1 29.6,53.2 31.72,51.08 IC3.4 ; C13.1 IC3.4
  Bottom Layer w0.381: v1(24.3,23) 24.3,27.902 25.233,28.835 25.233,35.033 v1(28.7,38.5)
S\D\: R17.2 R35.1 SD.1 | length 7.4
  Top Layer w0.381: SD.1 24.35,15.45 R17.2 25.4,18.6 26.75,17.25 R35.1
slope_comp1: R6.2 R12.1 | length 18.8
  Top Layer w0.381: R6.2 31.7,33.2 35,36.5 43.2,36.5 45.1,34.6 R12.1@45.1,33.8
slope_comp2: R14.1 R19.2 | length 37.3
  Top Layer w0.381: R19.2 14.1,35.4 16.056,37.356 43.644,37.356 46.4,34.6 R14.1@46.4,33.8
Vcomp: C11.1 COMP.1 IC3.1 | length 6.1
  Top Layer w0.381: IC3.1 35.46,43.4 C11.1 COMP.1
Volt_Atten_out: R23.2 R31.1 | length 17.9
  Top Layer w0.381: R31.1 37.25,22.15 37.904,22.804 47.096,22.804 47.8,22.1 47.8,21.45 49.95,19.3 R23.2
Vout_LEM: H2.3 pad.4 pad.5 R5.2 R7.1 Vout_LEM.1 | length 44.2
  Top Layer w0.381: R7.1 27.1,33.25 30.05,36.2 pad.4 ; pad.5 34.6,34.3 35.4,35.1 Vout_LEM.1 37.65,35.15 R5.2 ; Vout_LEM.1@39.1,34.4 39.9,33.6 39.9,29.753 45.413,24.24 H2.3
  Bottom Layer w0.381: pad.4 33,36 34.6,34.4 pad.5
Vref_LEM: H2.4 R34.1 Vref_LEM.1 | length 29.2
  Top Layer w0.381: Vref_LEM.1 37.1,12.7 37.1,14.7 38.8,16.4 v1(40,16.4) R34.1 ; v1(55.1,21.6) 55.15,21.65 59.75,21.65 H2.4
  Bottom Layer w0.381: v1(40,16.4) 44.345,16.4 46.945,19 52.5,19 v1(55.1,21.6)
pads on no net: D1.2

## Polygon pours and split planes (outlines as drawn)
GND on Bottom Layer "Bottom Layer-No Net" (solid, pour order 2): 0,57.6 31.8,57.6 64,57.6 64,0 0,0
5V on Top Layer "Top Layer-5V" (solid, pour order 4): 64,2.2 64,55.5 ccw(c61.9,55.5) 61.9,57.6 2.2,57.6 ccw(c2.2,55.4) 0,55.4 0,2.2 ccw(c2.2,2.2) 2.2,0 39.953,0 44.213,0 51.3,0 61.8,0 ccw(c61.8,2.2)

## Silkscreen, mask and mechanical layers (free items; w line width, h text height)
Top Overlay:
  drawing of 582 lines, arcs and shapes, not listed
  text "ENEL471 - GO KART" at 57,37.4 h1.14 r90
  text "Hassan Alhujhoj" at 59,37.4 h1.14 r90
  text "Abdullah Naeem" at 61,37.4 h1.14 r90
  text "Daniel Page" at 63,37.4 h1.14 r90
Bottom Overlay:
  drawing of 4447 lines, arcs and shapes, not listed
  text "ONE MORE QUESTION!" at 48.5,56.8 h0.9 r90
Board Outline:
  lines w0.381: 0,1.289 0,56.311 1.289,57.6 62.77,57.6 64,56.37 64,1.289 62.711,0 1.289,0 0,1.289

## Dimensions
64,0 to 64.3,57.6 on Mechanical 1
0.041,57.9 to 64.041,57.9 on Mechanical 1